# Allegro board 1151864-PCIE3_0_X16-166-20240802_20240815_2000_pcb.brd (continued)
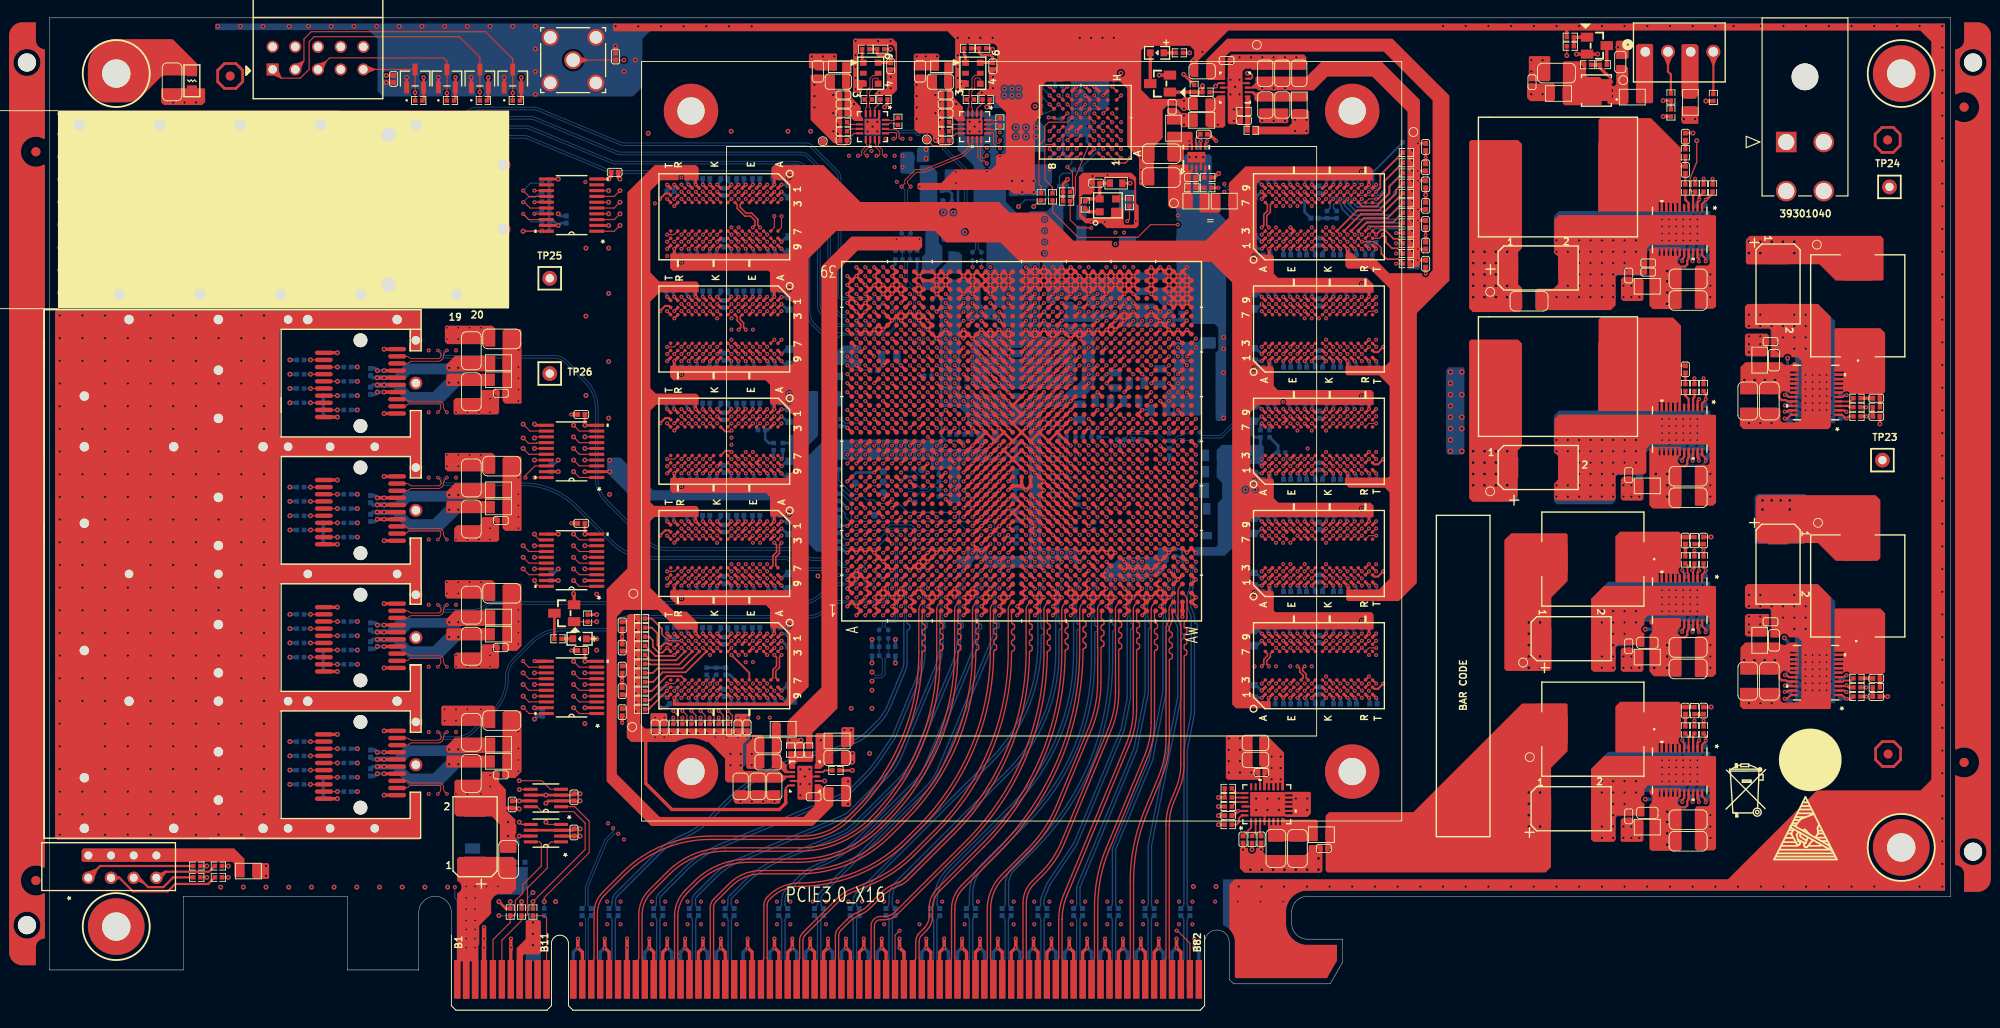
[diagram p0: board, top side]
## Copper pours and planes (outline as drawn; the poured copper is in the pictures) (continued)
GND on BOTTOM (solid shape): 127.24,95.89 129.83,95.89 130.09,95.62 130.09,90.09 131.71,88.47 131.71,66.12 131.58,65.99 130.67,65.99 130.54,66.12 130.54,73.63 130.82,73.91 130.82,76.45 130.41,76.86 128.97,76.86 128.96,76.87 128.04,76.87 127.81,77.09 127.81,78.66 127.53,78.94 124.51,78.94 123.65,79.81 123.65,79.95 123.75,80.23 123.65,80.51 123.65,80.8 123.75,80.9 125.04,80.9 125.32,80.8 125.6,80.9 125.96,80.9 126.16,81.1 126.16,87.48 126.19,87.55 126.27,87.58 126.71,87.99 126.27,88.39 126.19,88.42 126.16,88.49 126.16,92.11 126.76,92.71 126.76,95.45 127.2,95.9 127.23,95.9
GND on BOTTOM (solid shape): outline of 109 points within 87.56,71.98 90.89,74.45
GND on BOTTOM (solid shape): outline of 739 points within 18.54,3.59 212.16,110.52
GND on BOTTOM: 48.64,16.31 48.54,16.41 48.54,17.12 48.26,17.4 45.47,17.4 45.36,17.5 45.36,24.66 45.39,24.69 45.39,25.3 46.69,26.59 59.69,26.59 60.38,25.91 60.38,17.04 59.64,16.31 ; 2 cut-outs
GND on GND02, GND04, GND06, GND09, GND11, GND13: 45.77,0.64 45.64,0.77 45.64,10.93 43.17,13.39 40.71,10.93 40.71,5.14 33.99,5.14 33.99,13.39 14.36,13.39 14.36,5.14 0.64,5.14 0.64,110.52 212.16,110.52 212.16,13.39 140.8,13.39 139.11,12.69 138.41,11 138.41,9.7 139.11,8.01 140.8,7.31 144.11,7.31 144.11,5.55 142.98,3.59 132.81,3.59 132.69,3.71 132.69,7.61 130.68,9.62 128.66,7.61 128.66,0.76 128.55,0.64 58.87,0.64 58.74,0.77 58.74,7.45 58.27,8.57 57.15,9.04 56.03,8.57 55.56,7.45 55.56,0.77 55.43,0.64
GND on ART03: 127.64,0.64 127.64,0.73 58.93,0.73 58.8,0.85 58.8,9.37 59.11,9.68 96.7,9.68 118.44,31.42 159.11,31.42 161.8,28.73 161.8,23.04 165.15,19.68 187.99,19.68 188.13,19.82 191.22,19.82 209.98,38.58 209.98,85.5 207.95,87.53 191.95,87.53 189.76,89.71 189.76,106.57 187.83,108.5 154.31,108.5 153.63,109.18 126.66,109.18 125.78,108.31 109.86,108.31 105.74,104.19 105.74,100.41 105.21,99.87 105.21,98.53 103.84,97.16 99.03,97.16 98.7,97.49 86.84,97.49 86.82,97.51 84.33,97.51 74.3,107.54 63.75,107.54 62.64,106.43 62.64,99.59 61.43,98.39 61.43,67.91 60.66,67.13 59.28,67.13 57.23,65.07 57.23,56.72 55.17,54.66 51.41,54.66 50.2,53.45 50.2,22.03 47.41,19.24 0.84,19.24 0.64,19.45 0.64,110.52 41.03,110.52 41.04,110.51 49.02,110.51 49.02,110.52 212.16,110.52 212.16,13.39 140.8,13.39 139.11,12.69 138.41,11 138.41,9.7 139.11,8.01 140.8,7.31 144.11,7.31 144.11,5.55 142.98,3.59 132.81,3.59 132.69,3.71 132.69,7.61 130.68,9.62 128.66,7.61 128.66,0.76 128.55,0.64
GND on ART05: 58.74,7.45 58.27,8.57 57.15,9.04 56.03,8.57 55.56,7.45 55.56,0.9 55.4,0.74 45.85,0.74 45.64,0.95 45.64,10.93 43.17,13.39 40.71,10.93 40.71,5.14 33.99,5.14 33.99,13.39 0.94,13.39 0.64,13.69 0.64,100.81 0.81,100.99 10.97,100.99 13.08,103.1 17.04,103.1 17.83,103.89 17.83,109.71 18.64,110.52 212.16,110.52 212.16,13.39 140.8,13.39 139.11,12.69 138.41,11 138.41,9.7 139.11,8.01 140.8,7.31 144.11,7.31 144.11,5.55 143,3.61 132.79,3.61 132.69,3.71 132.69,7.61 130.68,9.62 128.66,7.61 128.66,0.9 128.45,0.69 58.98,0.69 58.74,0.93 ; 2 cut-outs
GND on ART05: 33.99,5.14 33.99,8 40.71,8 40.71,5.14
GND on POWER07: 45.77,0.64 45.64,0.77 45.64,10.93 43.17,13.39 40.71,10.93 40.71,5.14 33.99,5.14 33.99,13.39 14.36,13.39 14.36,5.14 0.64,5.14 0.64,110.52 212.16,110.52 212.16,13.39 140.8,13.39 139.11,12.69 138.41,11 138.41,9.7 139.11,8.01 140.8,7.31 144.11,7.31 144.11,5.55 142.98,3.59 132.81,3.59 132.69,3.71 132.69,7.61 130.68,9.62 128.66,7.61 128.66,0.76 128.55,0.64 58.87,0.64 58.74,0.77 58.74,7.45 58.27,8.57 57.15,9.04 56.03,8.57 55.56,7.45 55.56,0.77 55.43,0.64 ; 1 cut-out
GND on POWER08: 45.77,0.64 45.64,0.77 45.64,10.93 43.17,13.39 40.71,10.93 40.71,5.14 33.99,5.14 33.99,13.39 14.36,13.39 14.36,5.14 0.64,5.14 0.64,110.52 212.16,110.52 212.16,13.39 140.8,13.39 139.11,12.69 138.41,11 138.41,9.7 139.11,8.01 140.8,7.31 144.11,7.31 144.11,5.55 142.98,3.59 132.81,3.59 132.69,3.71 132.69,7.61 130.68,9.62 128.66,7.61 128.66,0.76 128.55,0.64 58.87,0.64 58.74,0.77 58.74,7.45 58.27,8.57 57.15,9.04 56.03,8.57 55.56,7.45 55.56,0.77 55.43,0.64 ; 1 cut-out
GND on ART10: 58.87,0.64 58.74,0.77 58.74,7.45 58.54,8.22 57.99,8.8 57.99,13.51 58.75,14.27 186.31,14.27 194.77,22.73 194.77,77.62 201.78,84.63 201.78,103.25 200.3,104.72 154.23,104.72 149.48,109.47 106.96,109.47 105.84,108.36 105.84,99.59 101.45,95.2 61.21,95.2 52.22,104.19 41.17,104.19 40.54,103.56 40.54,101.63 40.79,101.37 40.87,101.37 42.9,99.34 42.9,75.06 41.15,73.3 25.7,73.3 25.12,72.72 25.12,21.87 25.93,21.06 44.12,21.06 44.86,20.32 44.86,13.54 44.7,13.39 0.64,13.39 0.64,100.81 0.81,100.99 10.97,100.99 13.08,103.1 17.04,103.1 17.83,103.89 17.83,109.71 18.64,110.52 212.16,110.52 212.16,13.39 140.8,13.39 139.11,12.69 138.41,11 138.41,9.7 139.11,8.01 140.8,7.31 144.11,7.31 144.11,5.55 142.98,3.59 132.81,3.59 132.69,3.71 132.69,7.61 130.68,9.62 128.66,7.61 128.66,0.76 128.55,0.64
GND on ART12: 45.77,0.64 45.64,0.77 45.64,10.93 43.17,13.39 40.71,10.93 40.71,5.14 33.99,5.14 33.99,13.39 16.13,13.39 16.13,13.41 15.37,13.41 14.96,13.82 14.96,17.7 14.07,18.59 1.42,18.59 0.64,19.38 0.64,100.81 0.81,100.99 10.97,100.99 13.08,103.1 17.04,103.1 17.83,103.89 17.83,109.71 18.64,110.52 63.19,110.52 63.28,110.43 69.72,110.43 69.72,110.52 212.16,110.52 212.16,13.39 140.8,13.39 139.11,12.69 138.41,11 138.41,9.7 139.11,8.01 140.8,7.31 144.11,7.31 144.11,5.55 143.04,3.68 132.72,3.68 132.69,3.71 132.69,7.61 130.68,9.62 128.66,7.61 128.66,3.68 128.65,3.68 128.65,1.11 128.27,0.73 59.31,0.73 59.31,0.64 58.87,0.64 58.74,0.77 58.74,7.45 58.27,8.57 57.15,9.04 56.03,8.57 55.56,7.45 55.56,0.77 55.43,0.64 ; 1 cut-out
GND on ART12: 58.87,0.64 58.74,0.77 58.74,9.64 61.9,12.8 129.51,12.8 129.87,12.45 129.87,9.45 128.99,8.71 128.66,7.61 128.66,0.76 128.55,0.64
VCC1V2 on TOP (solid shape): 164.82,74.68 164.82,63.15 164.33,62.66 164.33,57.53 163.75,56.95 159.28,56.95 158.9,57.33 158.9,74.91 159.1,75.11 164.39,75.11
VCC1V2 on TOP (solid shape): 141.01,100.66 141.01,98.3 140.8,98.09 134.73,98.09 134.61,98.22 134.61,98.86 134.73,98.98 138.67,98.98 139.05,99.36 139.05,100.76 139.18,100.89 140.78,100.89
VCC1V2 on TOP (solid shape): 97.69,86.46 97.69,85.5 97.28,85.09 90.47,85.09 88.21,82.83 88.21,33.81 86.46,32.05 86.41,32.05 85.41,31.05 85.41,29.41 85.28,29.29 84.75,29.29 84.69,29.34 84.69,30.61 84.54,30.76 82.81,30.76 82.64,30.94 82.64,32.38 86.41,36.16 86.41,48.38 86.49,48.63 86.41,48.88 86.41,83.31 89.76,86.66 97.49,86.66
VCC1V2 on BOTTOM (solid shape): 164.37,71.31 164.37,57.18 164.14,56.95 159.75,56.95 159.15,57.55 159.15,71.85 159.2,71.9 163.78,71.9
VCC1V2 on ART03: 125.77,65.2 125.77,65.63 125.46,65.94 125.11,65.94 124.93,66.12 124.93,68.43 125.05,68.55 126.58,68.55 127.01,68.99 127.01,69.42 127.26,69.67 132.55,69.67 134.05,71.17 134.05,93.4 134.84,94.19 149.12,94.19 150.29,93.02 150.29,59.11 152.73,56.67 163.42,56.67 164.21,57.45 164.21,63.27 163.88,63.6 156.39,63.6 155.93,64.06 155.93,96.93 155.02,97.84 143.59,97.84 140.67,100.76 134.52,100.76 134.13,100.37 134.13,96.1 132.37,94.34 132.37,71.48 131.74,70.84 125.16,70.84 123.66,69.34 123.66,65.8 123.89,65.57 124.46,65.57 125.08,64.95 125.51,64.95
VCC1V2 on ART12: 141.58,98.27 141.03,97.73 124.35,97.73 123.27,98.81 116.38,98.81 115.8,99.39 106.58,99.39 103.95,96.76 103.95,89.98 99.92,85.95 94.89,85.95 94.64,86.21 94.64,86.77 100.41,92.53 100.41,104.14 101.6,105.33 140.44,105.33 141.58,104.19
VCC1V2_VCCO on BOTTOM (solid shape): 158.36,71.9 158.36,62.37 158.21,62.22 156.56,62.22 156.33,62.45 156.33,71.72 156.64,72.02 158.24,72.02
VCC1V2_VCCO on BOTTOM: 127.81,63.27 128.03,63.27 128.09,63.33 128.11,63.34 128.13,63.35 128.31,63.35 128.59,63.07 129.6,63.07 129.83,62.84 129.83,54.86 130.14,54.56 130.14,52.82 130.1,52.78 128.88,52.78 128.59,52.49 125.97,52.49 125.63,52.15 123.57,52.15 122.53,51.1 120.32,51.1 119.76,51.66 115.21,51.66 114.81,52.07 114.81,52.68 114.99,52.86 117.4,52.86 117.7,53.16 117.7,55.5 116.57,56.63 115.84,56.63 115.7,56.77 115.7,61.37 115.11,61.95 115.11,63.6 115.21,63.7 118.29,63.7 118.49,63.5 118.49,62.1 118.14,61.75 118.14,61.16 118.21,61.09 119.58,61.09 119.71,61.21 119.71,61.7 119.86,61.85 122.61,61.85 123.88,63.12 123.88,63.42 123.95,63.5 124.33,63.5 124.82,63.02 124.82,61.11 125.07,60.86 125.65,60.86 125.81,61.01 125.81,62.61 126.01,62.81 127.36,62.81
VCC1V2_VCCO on BOTTOM: 88.71,71.58 88.99,71.3 88.99,71.28 88.99,71.27 89.09,70.99 89.36,70.9 89.37,70.9 89.39,70.89 89.42,70.87 96.85,70.87 96.95,70.76 96.95,66.87 96.8,66.71 88.92,66.71 88.76,66.88 87.72,66.88 87.41,67.18 87.41,71.37 87.62,71.58
VCC1V2_VCCO on POWER07: 68.46,34.49 67.28,35.67 67.28,92.91 67.59,93.22 102.23,93.22 102.54,92.91 102.54,70.84 101.55,69.85 101.55,51.94 101.95,51.54 114.71,51.54 115.09,51.91 115.09,62.33 115.24,62.48 117.78,62.48 118.11,62.81 118.11,63.45 118.22,63.55 120.73,63.55 121.13,63.95 121.13,65.4 121.19,65.46 133.61,65.46 134.32,66.16 134.32,92.45 134.8,92.94 148.46,92.94 148.62,92.78 148.62,79.04 149.86,77.8 164.26,77.8 164.54,77.52 164.54,39.75 159.28,34.49
VCC1V5_MGT on TOP (solid shape): 169.93,34.22 169.93,29.01 168.08,27.15 168.08,20.44 168.06,20.43 168.06,16.02 167.46,15.42 143.05,15.42 142.84,15.63 142.84,17.73 143.43,17.73 143.43,18.06 143.13,18.06 143.13,17.73 142.84,17.73 142.84,21.78 143.23,22.17 152.65,22.17 164.83,34.35 166.26,34.35 166.27,34.37 169.78,34.37
VCC1V5_MGT on BOTTOM (solid shape): 168.05,25.12 168.05,20.42 167.82,20.19 164.95,20.19 164.67,20.47 164.67,25.12 164.95,25.4 167.77,25.4
VCC1V8 on TOP (solid shape): 169.93,53.27 169.93,48.06 168.1,46.23 168.1,42.8 168.12,42.78 168.12,38.2 167.92,38 163.07,38 162.84,38.23 162.84,52.65 163.6,53.42 169.78,53.42
VCC1V8 on BOTTOM (solid shape): 168.05,44.17 168.05,38.25 167.8,38 164.95,38 164.44,38.51 164.44,44.27 164.62,44.45 167.77,44.45
VCC1V8 on BOTTOM (solid shape): 113.54,109.23 113.54,104.08 113.42,103.96 112.89,103.96 110.55,103.96 110.45,103.86 110.45,101.96 110.3,101.8 109.8,101.8 109.71,101.71 109.71,101.21 109.54,101.04 105.75,101.04 105.67,101.12 105.67,102.42 106.12,102.87 106.12,106.01 109,108.89 113.27,108.89 113.27,109.17 112.96,109.17 112.96,108.89 109,108.89 109.61,109.5 113.27,109.5
VCC1V8 on BOTTOM (solid shape): outline of 1270 points within 62.43,51.36 104.94,63.91
VCC1V8 on POWER07: 60.15,17.04 55.27,21.92 55.27,98.38 52.58,101.07 27.99,101.07 26.54,102.52 26.54,109.39 26.6,109.45 65.55,109.45 66.78,108.23 66.78,35.45 68.25,33.99 159.49,33.99 165.05,39.54 165.05,100.38 165.28,100.61 188.06,100.61 189.03,99.64 189.03,90.28 191.21,88.1 198.99,88.1 199.92,87.17 199.92,32.29 184.68,17.04
VCC1V8 on ART10: 127.64,93.45 126.11,94.97 126.11,100.79 121.31,105.59 111.19,105.59 109.76,104.17 109.76,102.31 109.61,102.16 106.8,102.16 106.74,102.22 106.65,102.22 106.27,102.59 106.27,107.42 107.39,108.53 148.84,108.53 157.63,99.75 157.63,53.47 167.39,43.71 167.39,38.23 166.7,37.54 163.78,37.54 154.52,46.8 154.52,98.11 147.42,105.21 128.91,105.21 128.32,104.62 128.32,103.23 131.53,100.01 131.53,93.79 131.19,93.45
VCC1V8_AUX on BOTTOM (solid shape): outline of 2730 points within 101.68,69.57 114.89,100.66
VCC1V8_VCCO on BOTTOM (solid shape): 111.49,98.88 111.49,96.27 111.39,96.16 107.55,96.16 107.47,96.25 107.47,97.31 107.78,97.62 107.78,99.97 107.99,100.18 110.2,100.18
VCC1V8_VCCO on ART05: 90.93,56.77 91.45,56.77 91.76,57.07 91.76,59.84 92.78,60.87 92.78,71.54 92.78,71.54 92.78,72.64 92.88,72.75 103.49,72.75 103.77,73.03 103.77,98.38 104.52,99.14 126.8,99.14 127.59,98.34 127.59,73.36 126.69,70.5 126.36,69.67 126.45,67.28 126.27,66.78 125.84,66.63 124.19,66.63 123.48,65.91 123.15,65.91 122.49,66.57 120.46,66.57 120.45,66.58 113.04,66.58 112.89,66.43 112.89,64.59 111.89,63.6 111.89,63.12 111.48,62.71 111.01,62.71 110.49,62.19 110.49,50.99 110.25,50.75 101.68,50.75 101.68,51.46 101.5,51.64 95.94,51.64 95.66,51.36 95.66,50.98 95.43,50.75 90.93,50.75 90.7,50.98 90.7,56.54
VCC2V5 on TOP (solid shape): 131.07,91.31 131.07,89.48 130.92,89.33 128.86,89.33 128.74,89.46 128.74,91.34 128.81,91.41 130.97,91.41
VCC2V5_DDR4 on TOP (solid shape): outline of 1524 points within 69.48,33.81 148.22,94.67
VCC3V3 on TOP (solid shape): 24.61,16.32 24.61,14.77 24.54,14.7 22.91,14.7 22.73,14.87 22.73,16.35 22.86,16.47 24.46,16.47
VCC3V3 on TOP (solid shape): 52.86,76.16 52.86,68.01 52.78,67.93 51.03,67.93 50.72,68.24 50.72,76.06 50.95,76.29 52.73,76.29
VCC3V3 on TOP (solid shape): 52.86,61.91 52.86,53.76 52.78,53.68 51.03,53.68 50.72,53.99 50.72,61.81 50.95,62.04 52.73,62.04
VCC3V3 on TOP (solid shape): 52.86,47.66 52.86,40.78 52.32,40.25 50.8,40.25 50.72,40.32 50.72,47.56 50.95,47.79 52.73,47.79
VCC3V3 on TOP (solid shape): 52.86,33.41 52.86,26.71 52.15,26 50.77,26 50.72,26.05 50.72,33.31 50.95,33.54 52.73,33.54
VCC3V3 on TOP (solid shape): 99.58,106.96 99.58,105.36 99.48,105.26 96.78,105.26 96.73,105.31 96.73,106.98 96.91,107.16 99.38,107.16
VCC3V3 on TOP (solid shape): 90.09,31.62 90.09,29.87 89.76,29.54 89.49,29.54 89.42,29.46 88.73,29.46 88.63,29.57 88.63,31.53 88.8,31.7 90.02,31.7
VCC3V3 on TOP (solid shape): 126.76,100.46 128.43,100.46 128.51,100.38 128.51,99.01 128.41,98.91 126.83,98.91 126.53,99.21 125.14,99.21 125.09,99.26 125.09,100.9 125.25,101.06 126.15,101.06
VCC3V3 on TOP (solid shape): 88.15,107.08 88.15,105.36 88.05,105.26 85.8,105.26 85.57,105.49 85.14,105.49 85.01,105.61 85.01,107.04 85.14,107.16 88.06,107.16
VCC3V3 on TOP (solid shape): 205.29,86.42 205.29,81.87 205.13,81.72 199.93,81.72 198.1,83.55 194.67,83.55 194.65,83.53 190.06,83.53 189.87,83.73 189.87,86.27 190.34,86.74 204.96,86.74
VCC3V3 on BOTTOM (solid shape): 196.32,86.45 196.32,83.88 196.04,83.6 190.12,83.6 189.87,83.86 189.87,86.32 190.25,86.7 196.07,86.7
VCC3V3 on BOTTOM (solid shape): 96.8,95.94 96.8,93.78 96.72,93.7 95.43,93.7 95.22,93.9 95.22,95.96 95.43,96.16 96.57,96.16
VCC3V3 on BOTTOM (solid shape): 37.74,94.17 37.74,92.65 37.52,92.42 36.98,92.42 36.75,92.19 36.75,89.85 36.98,89.63 37.62,89.63 37.95,89.3 37.95,84.29 37.67,84.01 35.61,84.01 35.46,84.16 35.46,84.75 37.57,84.75 37.57,85.05 37.24,85.05 37.24,84.75 35.46,84.75 35.46,93.94 35.84,94.32 37.59,94.32
VCC3V3 on ART05: 52.12,29.77 57.73,29.77 68.26,19.24 125.23,19.24 130.18,24.18 131.72,24.18 134.91,20.99 134.91,17.39 134.67,17.14 53.44,17.14 51.94,18.64 51.94,29.59
VCC3V3 on POWER08: 50.47,11.73 49.89,12.32 49.89,14.15 49.15,14.88 23.7,14.88 23.29,15.29 23.29,17.73 25.68,20.11 25.68,74.32 25.99,74.63 29.54,74.63 33.6,78.69 33.6,108.4 34.65,109.45 187.58,109.45 189.69,107.34 189.69,93.34 195.97,87.05 195.97,83.89 194.23,82.14 165.28,82.14 165.28,84.74 161.57,88.44 85.14,88.44 83.54,86.85 83.54,39.75 91.47,31.82 91.47,15.04 91.26,14.83 63.85,14.83 60.75,11.73
VCC12V_FAN on TOP (solid shape): 176.71,105.53 176.71,101.67 176.5,101.46 174.52,101.46 174.37,101.61 174.37,102.15 174.39,102.18 174.42,102.2 175.01,102.2 175.01,102.5 174.42,102.5 174.39,102.52 174.37,102.55 174.37,102.78 174.39,102.82 174.42,102.83 175.01,102.83 175.01,103.19 174.42,103.19 174.39,103.2 174.37,103.24 174.37,103.49 174.4,103.52 175.16,103.52 175.36,103.72 175.36,105.81 175.41,105.86 176.38,105.86
VCC12V_IN on TOP (solid shape): 177.3,81.89 178.29,81.89 178.41,81.76 178.41,79.61 178.24,79.43 176.15,79.43 175.9,79.68 175.9,81.89 176.12,82.12 177.07,82.12
VCC12V_IN on TOP (solid shape): 177.3,59.54 178.29,59.54 178.41,59.41 178.41,57.25 178.24,57.08 176.1,57.08 175.87,57.3 175.87,59.46 176.17,59.77 177.07,59.77
VCC12V_IN on TOP (solid shape): 177.3,40.36 178.29,40.36 178.41,40.24 178.41,38.08 178.24,37.9 176.07,37.9 175.87,38.1 175.87,40.41 176.05,40.59 177.07,40.59
VCC12V_IN on TOP (solid shape): 177.3,21.31 178.29,21.31 178.41,21.19 178.41,19.03 178.24,18.85 175.98,18.85 175.86,18.97 175.86,21.31 176.09,21.54 177.07,21.54
VCC12V_IN on TOP (solid shape): 192.46,75.56 192.46,74.59 192.23,74.36 192.23,73.37 192.1,73.24 189.95,73.24 189.77,73.42 189.77,75.59 189.97,75.79 192.23,75.79
VCC12V_IN on TOP (solid shape): 192.46,44.32 192.46,43.2 192.23,42.97 192.23,41.98 192.1,41.85 189.95,41.85 189.77,42.03 189.77,44.15 190.01,44.38 192.39,44.38
VCC12V_IN on TOP (solid shape): 165.55,103.8 167.92,103.8 167.95,103.82 168.35,103.82 168.5,103.67 168.5,102 168.33,101.82 165.74,101.82 165.38,102.17 165.38,103.7 165.51,103.82 165.53,103.82
VCC12V_IN on TOP (solid shape): 52.25,16.84 52.25,13.55 51.71,13.02 50.19,13.02 50.07,12.9 49.76,12.71 49.57,12.4 49.46,12.29 49.46,10.83 48.12,9.48 48.12,7.33 48.01,7.22 48.01,1.35 47.99,1.31 47.96,1.3 47.37,1.3 47.34,1.31 47.32,1.35 47.32,5.48 47.02,5.48 47.02,1.35 47,1.31 46.96,1.3 46.33,1.3 46.29,1.31 46.28,1.35 46.28,5.45 46.02,5.45 46.02,1.35 46.01,1.31 45.97,1.3 45.4,1.3 45.39,1.31 45.39,5.4 45.64,5.64 45.64,13.09 46.13,13.78 45.64,14.48 45.64,16.96 45.85,17.17 51.92,17.17
VCC12V_IN on BOTTOM (solid shape): 53.54,16.03 53.54,13.65 52.83,12.94 49.68,12.94 49.26,12.52 49.26,10.57 48.03,9.34 48.03,1.37 48.02,1.34 47.98,1.32 47.35,1.32 47.31,1.34 47.29,1.37 47.29,5.45 47.26,5.47 47.24,5.5 47.24,5.61 46.99,5.61 46.99,1.37 46.98,1.34 46.94,1.32 46.33,1.32 46.29,1.34 46.28,1.37 46.28,15.94 46.38,16.04 53.53,16.04
VCC12V_IN on ART10: 46.3,6.06 45.95,6.42 45.95,17.27 47.32,18.64 99.06,18.64 110.54,30.12 164.97,30.12 169.19,34.34 169.19,97.36 165.64,100.91 165.64,103.1 166,103.46 185.55,103.46 188.62,100.38 195.99,100.38 197.03,99.34 197.03,81.76 193.65,78.38 193.65,23.27 185.14,14.76 58.29,14.76 57.48,13.94 57.48,10.97 55.22,8.71 55.22,6.43 54.85,6.06
(no net) on TOP: 133.73,15.39 133.25,15.88 133.25,18.19 135.79,18.19 135.86,18.11 135.86,17.68 136.17,17.37 140.54,17.37 140.92,17.75 140.92,18.36 141.05,18.49 142.42,18.49 142.49,18.41 142.49,15.57 142.32,15.39 ; 1 cut-out
FPGA_VCCINT_0V85 on TOP (solid shape): 164.82,97.03 164.82,85.34 164.39,84.92 164.39,81.33 164.82,80.9 164.82,79.68 164.81,79.68 164.81,78.52 164.49,78.2 159.31,78.2 158.9,78.61 158.9,97.26 159.1,97.46 164.39,97.46
FPGA_VCCINT_0V85 on BOTTOM (solid shape): outline of 326 points within 124.6,66.6 130.54,75.36
FPGA_VCCINT_0V85 on BOTTOM: 157.45,78.23 155.22,80.47 155.22,97.51 154.05,98.68 150.65,98.68 147.88,95.91 133.65,95.91 131.72,97.84 127.62,97.84 127.54,97.76 127.52,97.76 127.32,97.65 127.2,97.44 127.2,97.42 126.25,96.47 126.25,93.32 124.98,92.05 121.65,92.05 121.55,91.95 121.55,90.45 121.52,90.42 121.52,88.83 121.51,88.8 121.49,88.78 121.19,88.39 121.49,88 121.5,88 121.52,87.97 121.52,84.01 121.6,83.93 124.65,83.93 124.94,83.64 124.94,81.76 124.93,81.73 124.89,81.71 120.9,81.71 120.89,81.72 119.95,81.72 119.66,82.02 119.66,82.6 119.51,82.75 115.06,82.75 114.89,82.92 114.89,90.92 117.21,93.24 117.21,93.89 119.47,96.14 119.88,96.14 119.95,96.13 120.02,96.14 120.23,96.14 120.56,96.47 120.56,99.19 121.47,100.1 121.47,107.22 121.49,107.24 121.49,108.33 122.34,109.18 159.42,109.18 164.29,104.32 164.29,81.9 164.82,81.37 164.82,78.63 164.47,78.27 159.63,78.27 159.59,78.23
FPGA_VCCINT_0V85 on POWER07: 102.16,52.04 102.06,52.15 102.06,69.64 103.05,70.63 103.05,108.12 104.37,109.45 164.31,109.45 164.54,109.22 164.54,78.51 164.33,78.31 150.07,78.31 149.12,79.25 149.12,92.99 148.67,93.45 134.59,93.45 133.81,92.66 133.81,66.37 133.4,65.96 120.98,65.96 120.62,65.61 120.62,64.16 120.52,64.06 118,64.06 117.6,63.66 117.6,63.02 117.57,62.99 115.03,62.99 114.58,62.54 114.58,52.12 114.5,52.04
FPGA_VCCINT_0V85 on POWER08: 122.41,34.32 120.07,36.66 120.07,49.71 118.72,51.05 101.2,51.05 101.07,51.18 101.07,87.93 161.36,87.93 164.77,84.53 164.77,35.51 163.57,34.32
MGTAVCC on TOP (solid shape): 204.93,57.15 204.93,50.64 204.62,50.34 199.93,50.34 197.94,52.32 191.37,52.32 190.99,52.7 190.99,55.44 191,55.46 191,56.96 191.02,56.98 191.02,57.42 191.29,57.68 204.4,57.68
MGTAVCC on BOTTOM (solid shape): 196.7,57.63 196.7,52.58 196.34,52.22 191.04,52.22 190.86,52.4 190.86,55.57 190.86,55.57 190.86,57.53 191.16,57.84 196.5,57.84
MGTAVCC on BOTTOM (solid shape): outline of 224 points within 113.11,77.08 119.49,79.37
MGTAVCC on ART12: outline of 92 points within 89.66,18.62 196.75,79.76
MGTAVTT on TOP (solid shape): 138.19,28.85 138.19,24.71 138.12,24.64 138.11,24.64 137.91,24.65 137.89,24.66 137.89,24.69 137.89,25.45 137.63,25.45 137.63,24.69 137.62,24.66 137.61,24.65 137.4,24.65 137.39,24.66 137.38,24.69 137.38,25.43 137.15,25.43 137.15,24.69 137.14,24.66 137.13,24.65 136.92,24.65 136.9,24.66 136.9,24.69 136.9,25.43 136.62,25.43 136.62,24.69 136.61,24.66 136.59,24.65 136.38,24.65 136.37,24.66 136.36,24.69 136.36,25.43 136.16,25.43 136.16,24.69 136.15,24.66 136.14,24.65 135.9,24.64 135.84,24.7 135.84,25.62 135.82,25.64 135.82,25.85 135.8,25.86 135.8,26.19 136.51,26.19 136.51,26.52 136.13,26.52 136.13,26.19 135.8,26.19 135.8,27.08 135.42,27.46 135.42,30.45 135.63,30.66 136.39,30.66
MGTAVTT on BOTTOM (solid shape): outline of 437 points within 118.1,48.01 125.31,51.84
MGTAVTT on BOTTOM (solid shape): outline of 1239 points within 111.58,76.56 126.05,81.92
MGTAVTT on POWER08: 92.28,14.83 91.97,15.14 91.97,32.03 84.05,39.96 84.05,86.64 85.35,87.93 100.56,87.93 100.56,50.97 100.99,50.55 118.51,50.55 119.56,49.5 119.56,36.45 122.2,33.81 138.43,33.81 138.43,15.12 138.15,14.83
MGTAVTT on ART12: 120,80.1 120.5,79.6 120.5,79.1 120.4,78.99 115.93,78.99 115.19,79.73 112.85,79.73 112.75,79.63 112.75,79.22 112.48,78.96 112.05,78.96 111.76,79.25 111.76,79.5 111.61,79.65 111.07,79.65 110.72,80.01 107.7,80.01 105.79,78.11 99.24,78.11 99.06,78.28 99.06,78.61 98.91,78.77 97.26,78.77 97,78.51 97,76.86 96.77,76.63 94.18,76.63 93.88,76.94 90.3,76.94 89.84,77.39 89.84,79.02 89.85,79.03 89.85,79.49 90.04,79.68 93.52,79.68 93.71,79.87 93.71,80.84 93.8,80.92 95.45,80.92 96.23,81.7 96.23,83.81 97.16,84.73 119.94,84.73 120,84.67